# Altium PCB 2020智能车.PcbDoc (part 2 of 2)
Units mm, origin at the board's own origin, x right, y up, seen from the top; angles counter-clockwise.
Board outline 115 x 77.51 mm, 4 copper layers (Top Layer, Int1 (GND), Int2 (PWR), Bottom Layer), stack 1.369 mm thick; 212 components, 148 nets, 754 pads, 347 vias.
Unrouted connection lines stored in the file: 192.
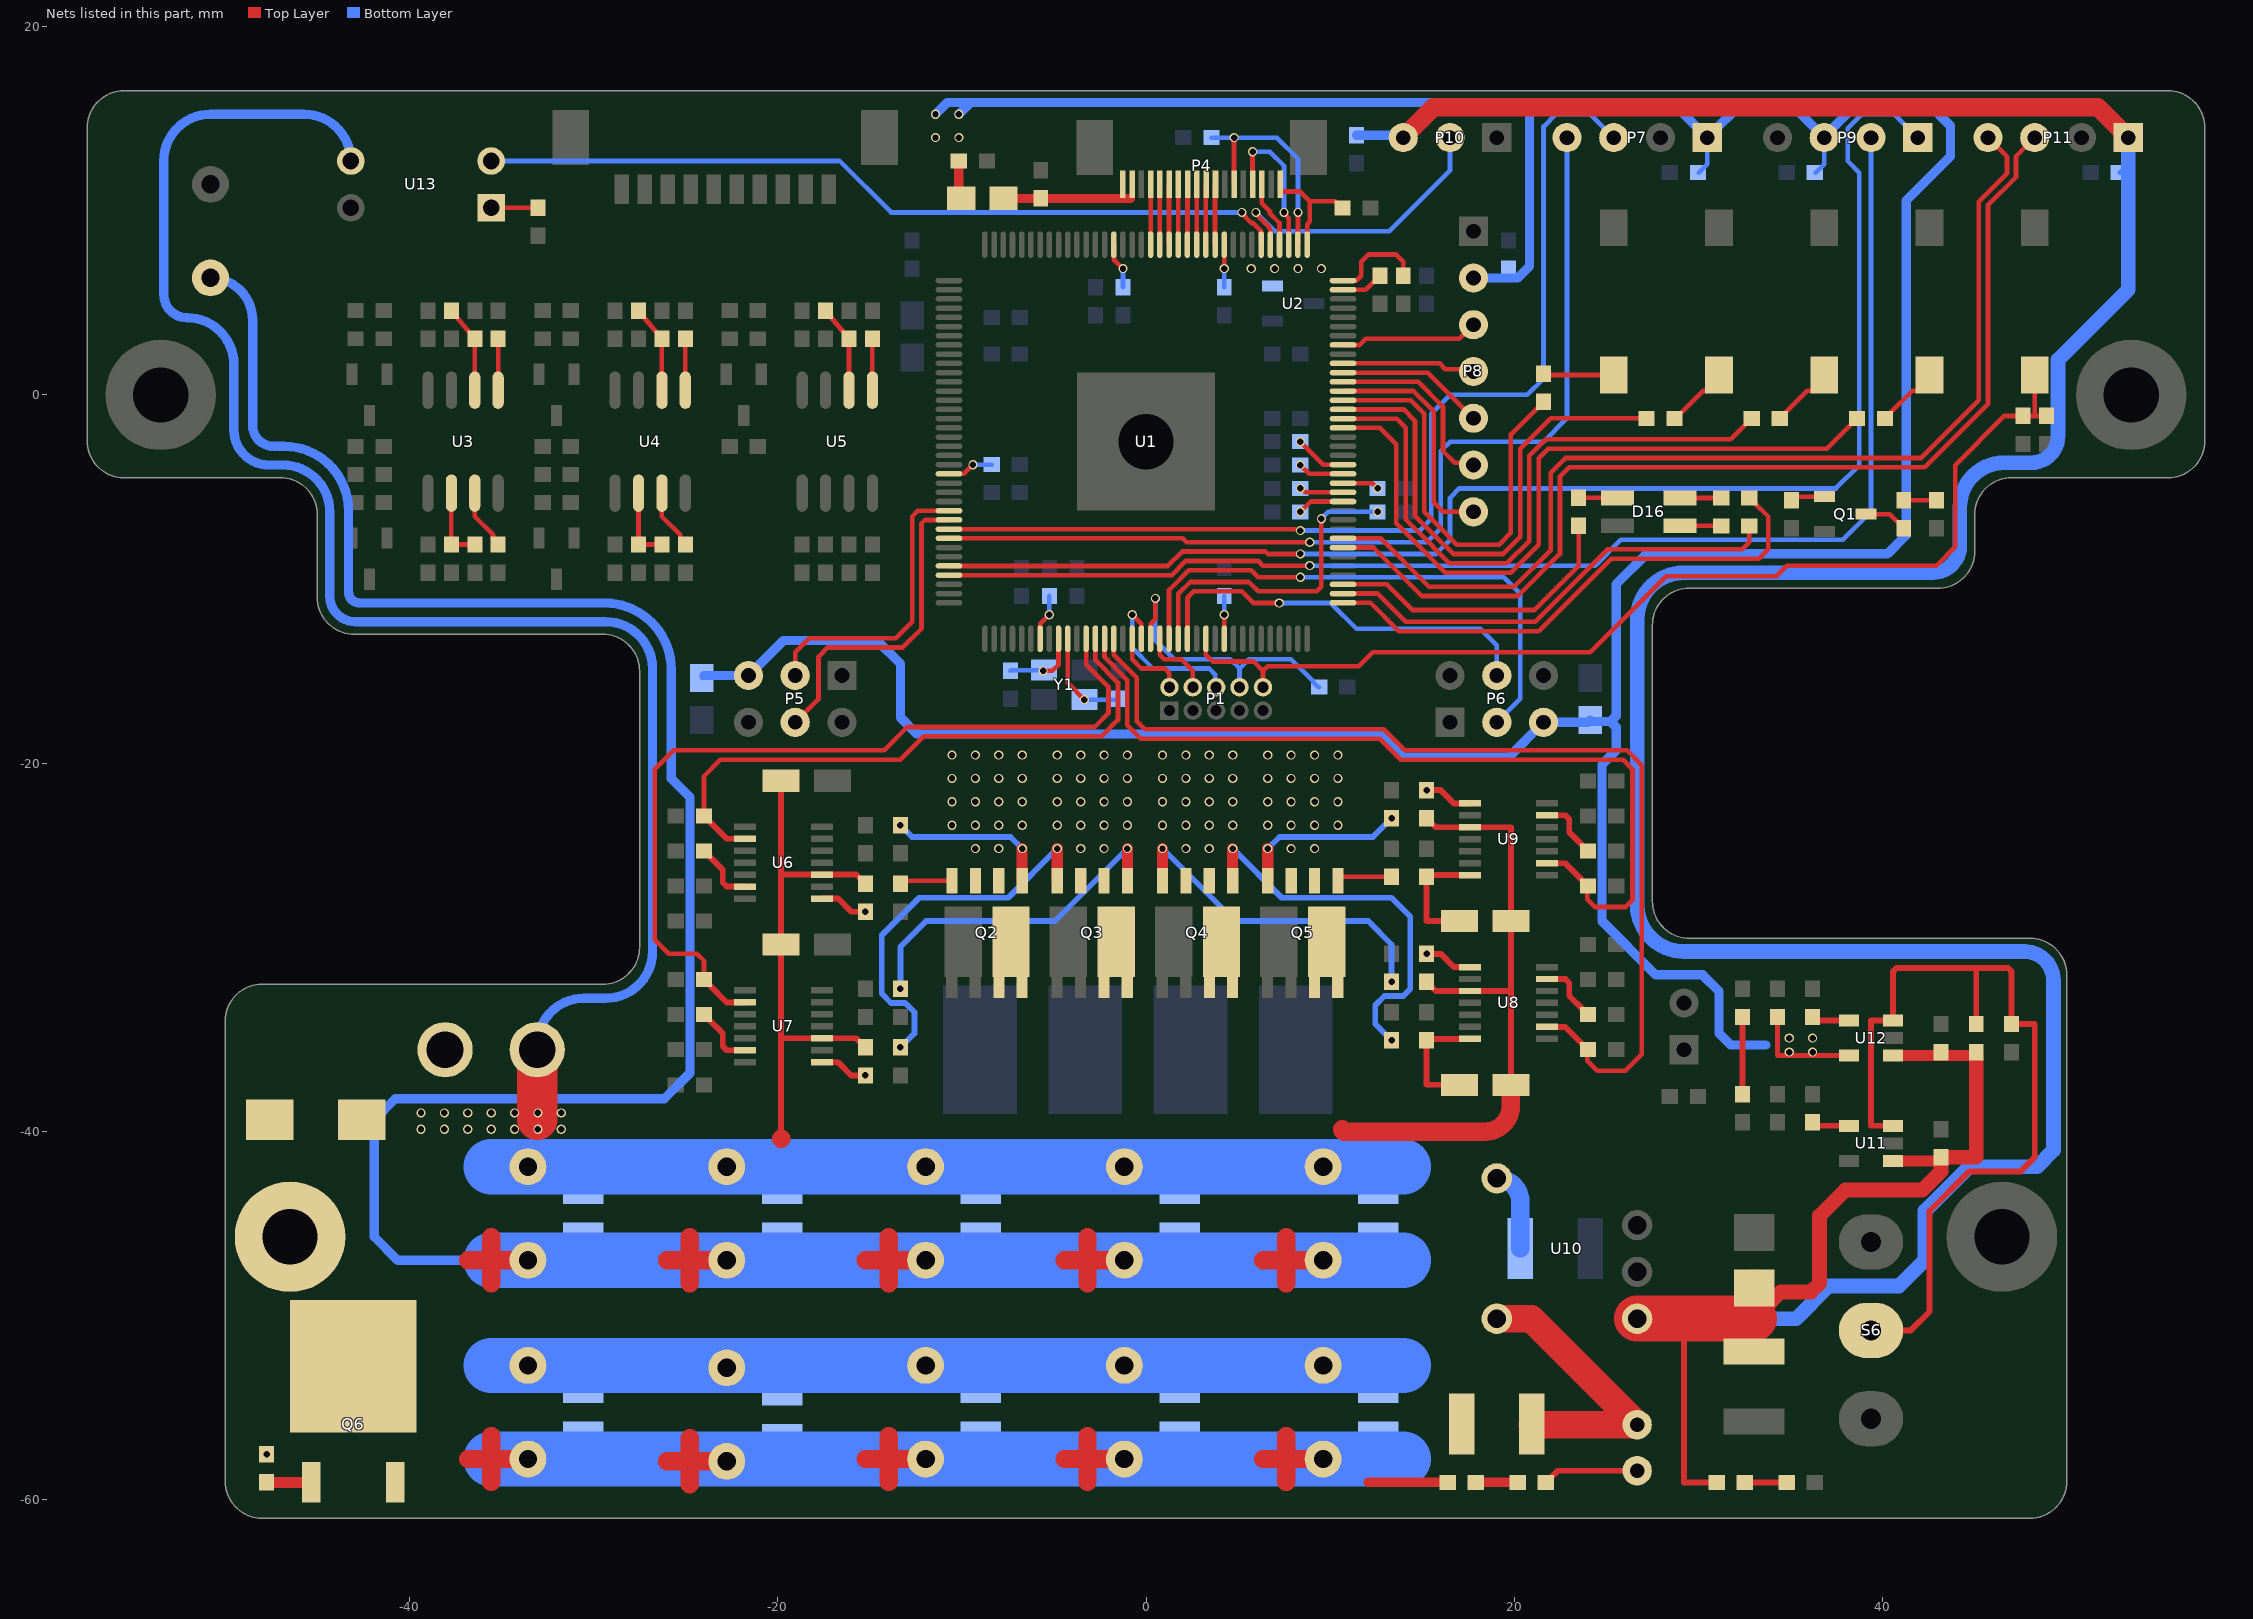
[diagram p4: the nets of this part, all layers, seen from the top]

## Via types
v1: diameter 0.5, hole 0.35, Top Layer to Bottom Layer, tented both sides, 347 vias

## Nets (pads, with @x,y where several pads share a name; then routed paths per layer and width w, separated by ;. In a path a pad name is that pad's centre, name@x,y a point inside that pad or via, vN(x,y) a via of type N, cw(c..) or ccw(c..) an arc to the next point about the centre after c; other vN are vias at no path point) (continued)
NetC42_1: C42.1 D9.1 U8.14 | length 6.5
  Top Layer w0.318: C42.1@15.24,-35.052 15.24,-37.465 D9.1@17.015,-37.465 ; C42.1@15.24,-34.97 U8.14@17.585,-34.97
NetC45_1: C45.1 D10.1 U9.14 | length 6.5
  Top Layer w0.318: C45.1@15.24,-26.162 15.24,-28.575 D10.1@17.015,-28.575 ; C45.1@15.24,-26.08 U9.14@17.585,-26.08
NetC51_1: C51.1 F1.2 U10.4 | length 15.7
  Top Layer w1: F1.2@20.95,-55.88 ccw(c20.99,-55.88) F1.2@20.99,-55.92
  Top Layer w1.5: U10.4@19.05,-50.165 20.915,-50.165 C51.1@26.67,-55.92 F1.2@20.99,-55.92
NetC56_2: C56.2 U11.4 | length 2.1
  Top Layer w0.318: C56.2@36.195,-39.497 36.388,-39.69 U11.4@38.17,-39.69
NetC59_2: C59.2 U12.4 | length 1.8
  Top Layer w0.318: C59.2@36.388,-33.975 U12.4@38.17,-33.975
NetC60_1: C60.1 L2.1 P4.17 P4.18 | length 6.8
  Top Layer w0.508: L2.1@-7.747,10.668 C60.1@-5.842,10.668 ; C60.1@-5.715,10.668 -0.853,10.668
NetD1_1: D1.1 Q1.3 | length 2.4
  Top Layer w0.254: Q1.3@39.098,-6.477 40.386,-6.477 40.831,-6.921 40.869,-6.921 41.148,-7.201 D1.1@41.148,-7.239
NetD1_2: D1.2 R12.2 | length 1.8
  Top Layer w0.254: D1.2@41.148,-5.715 R12.2@42.926,-5.715
NetD12_A: D12.A P3.1 pad.@-46.482,-45.72 Q6.2
NetD14_2: D14.2 R52.2 | length 2.3
  Top Layer w0.508: D14.2@17.907,-59.055 R52.2@20.193,-59.055
NetD15_2: D15.2 R54.2 | length 2.3
  Top Layer w0.318: D15.2@32.512,-59.055 R54.2@34.798,-59.055
NetD16_1: D16.1 R62.2 | length 2.2
  Top Layer w0.254: D16.1@29.005,-7.1 31.23,-7.1 R62.2@31.242,-7.112
NetD16_3: D16.3 R63.2 | length 2.2
  Top Layer w0.254: D16.3@29.005,-5.6 31.23,-5.6 R63.2@31.242,-5.588
NetD16_4: D16.4 R64.2 | length 2.1
  Top Layer w0.254: R64.2@23.495,-5.588 25.593,-5.588 D16.4@25.605,-5.6
NetD17_2: D17.2 R66.2 | length 4.2
  Top Layer w0.318: D17.2@32.385,-37.973 R66.2@32.385,-33.782
NetQ1_1: Q1.1 R11.1 | length 1.9
  Top Layer w0.254: R11.1@35.052,-5.715 35.24,-5.527 Q1.1@36.848,-5.527
NetQ2_1: Q2.1 R37.2 | length 8.9
  Top Layer w0.6: Q2.1@-6.723,-26.38 v1(-6.723,-24.638)
  Bottom Layer w0.318: v1(-13.335,-23.368) -12.7,-24.003 -7.358,-24.003 v1(-6.723,-24.638)
NetQ2_4: Q2.4 R38.2 | length 2.9
  Top Layer w0.254: R38.2@-13.335,-26.543 -13.172,-26.38 Q2.4@-10.533,-26.38
NetQ3_1: Q3.1 R41.2 | length 18.6
  Top Layer w0.6: Q3.1@-1.008,-26.38 v1(-1.008,-24.638)
  Bottom Layer w0.318: v1(-13.335,-32.258) -13.335,-29.972 -11.938,-28.575 -4.945,-28.575 v1(-1.008,-24.638)
NetQ3_4: Q3.4 R42.2 | length 20.8
  Top Layer w0.6: Q3.4@-4.818,-26.38 v1(-4.818,-24.638)
  Bottom Layer w0.318: v1(-13.335,-35.433) -12.573,-34.671 -12.573,-33.528 -13.081,-33.02 -13.843,-33.02 -14.351,-32.512 -14.351,-29.337 -12.319,-27.305 -7.485,-27.305 v1(-4.818,-24.638)
NetQ4_1: Q4.1 R45.2 | length 21.4
  Top Layer w0.6: Q4.1@4.707,-26.38 v1(4.707,-24.638)
  Bottom Layer w0.318: v1(4.707,-24.638) 7.374,-27.305 13.335,-27.305 14.351,-28.321 14.351,-32.258 13.97,-32.639 12.954,-32.639 12.446,-33.147 12.446,-34.163 v1(13.335,-35.052)
NetQ4_4: Q4.4 R46.2 | length 18.4
  Top Layer w0.6: Q4.4@0.897,-26.38 v1(0.897,-24.638)
  Bottom Layer w0.318: v1(0.897,-24.638) 4.834,-28.575 12.065,-28.575 13.335,-29.845 v1(13.335,-31.877)
NetQ5_1: Q5.1 R49.2 | length 3
  Top Layer w0.254: Q5.1@10.422,-26.38 10.422,-26.34 10.599,-26.162 R49.2@13.335,-26.162
NetQ5_4: Q5.4 R50.2 | length 9.1
  Top Layer w0.6: Q5.4@6.612,-26.38 v1(6.612,-24.638)
  Bottom Layer w0.318: v1(6.612,-24.638) 7.247,-24.003 12.319,-24.003 v1(13.335,-22.987)
NetQ6_G: Q6.1 R67.1 | length 2.4
  Top Layer w0.6: R67.1@-47.752,-59.055 Q6.1@-45.327,-59.055
NetR13_2: R13.2 R14.1 U3.2 | length 4.1
  Top Layer w0.254: U3.2@-37.719,-5.334 R14.1@-37.719,-8.128 R13.2@-36.449,-8.128
NetR16_2: R16.2 U3.3 | length 3.3
  Top Layer w0.254: U3.3@-36.449,-5.334 -36.449,-6.604 -35.458,-7.595 -35.458,-7.849 R16.2@-35.179,-8.128
NetR17_2: R17.2 R18.1 U3.6 | length 4.8
  Top Layer w0.254: R18.1@-37.719,4.572 R17.2@-36.449,3.048 U3.6@-36.449,0.254
NetR20_2: R20.2 U3.5 | length 2.8
  Top Layer w0.254: U3.5@-35.179,0.254 R20.2@-35.179,3.048
NetR21_2: R21.2 R22.1 U4.2 | length 4.1
  Top Layer w0.254: U4.2@-27.559,-5.334 R22.1@-27.559,-8.128 R21.2@-26.289,-8.128
NetR24_2: R24.2 U4.3 | length 3.3
  Top Layer w0.254: U4.3@-26.289,-5.334 -26.289,-6.604 -25.298,-7.595 -25.298,-7.849 R24.2@-25.019,-8.128
NetR25_2: R25.2 R26.1 U4.6 | length 4.8
  Top Layer w0.254: R26.1@-27.559,4.572 R25.2@-26.289,3.048 U4.6@-26.289,0.254
NetR28_2: R28.2 U4.5 | length 2.8
  Top Layer w0.254: U4.5@-25.019,0.254 R28.2@-25.019,3.048
NetR29_2: R29.2 R30.1 U5.6 | length 4.8
  Top Layer w0.254: R30.1@-17.399,4.572 R29.2@-16.129,3.048 U5.6@-16.129,0.254
NetR32_2: R32.2 U5.5 | length 2.8
  Top Layer w0.254: U5.5@-14.859,0.254 R32.2@-14.859,3.048
NetR36_2: R36.2 U6.6 | length 3.5
  Top Layer w0.318: R36.2@-24.003,-24.765 -23.965,-24.765 -23.718,-25.012 -23.718,-25.05 -22.987,-25.781 -22.987,-26.484 -22.771,-26.7 U6.6@-21.785,-26.7
NetR40_2: R40.2 U7.6 | length 3
  Top Layer w0.318: R40.2@-23.718,-33.94 -22.987,-34.671 -22.987,-35.374 -22.771,-35.59 U7.6@-21.785,-35.59
NetR44_2: R44.2 U8.6 | length 3
  Top Layer w0.318: U8.6@21.785,-31.72 22.771,-31.72 22.987,-31.936 22.987,-32.639 R44.2@23.718,-33.37
NetR48_2: R48.2 U9.6 | length 3
  Top Layer w0.318: U9.6@21.785,-22.83 22.771,-22.83 22.987,-23.046 22.987,-23.749 R48.2@23.718,-24.48
NetR55_2: R55.2 U13.1 | length 2.5
  Top Layer w0.254: U13.1@-35.56,10.16 R55.2@-33.02,10.16
NetR58_1: R58.1 S2.2 | length 3.5
  Top Layer w0.254: R58.1@40.132,-1.27 40.17,-1.27 40.45,-0.991 40.45,-0.953 41.623,0.221 41.922,0.221 42.545,0.844 S2.2@42.545,1.08
NetR59_1: R59.1 S3.2 | length 3.5
  Top Layer w0.254: R59.1@34.417,-1.27 34.455,-1.27 34.734,-0.991 34.734,-0.953 35.908,0.221 36.207,0.221 36.83,0.844 S3.2@36.83,1.08
NetR60_1: R60.1 S4.2 | length 3.5
  Top Layer w0.254: R60.1@28.702,-1.27 28.981,-0.991 29.044,-0.991 30.242,0.207 30.492,0.207 31.115,0.83 S4.2@31.115,1.08
NetR61_1: R61.1 S5.2 | length 3.8
  Top Layer w0.254: R61.1@21.59,1.143 21.653,1.08 S5.2@25.4,1.08
P00.0: P4.8 U1.11 | length 3.3
  Top Layer w0.254: U1.11@3.75,8.16 P4.8@3.75,11.43
P00.1: P4.9 U1.12 | length 3.3
  Top Layer w0.254: U1.12@3.25,8.16 P4.9@3.25,11.43
P00.2: P4.10 U1.13 | length 3.3
  Top Layer w0.254: U1.13@2.75,8.16 P4.10@2.75,11.43
P00.3: P4.11 U1.14 | length 3.3
  Top Layer w0.254: U1.14@2.25,8.16 P4.11@2.25,11.43
P00.4: P4.12 U1.15 | length 3.3
  Top Layer w0.254: U1.15@1.75,8.16 P4.12@1.75,11.43
P00.5: P4.13 U1.16 | length 3.3
  Top Layer w0.254: U1.16@1.25,8.16 P4.13@1.25,11.43
P00.6: P4.14 U1.17 | length 3.3
  Top Layer w0.254: U1.17@0.75,8.16 P4.14@0.75,11.43
P00.7: P4.15 U1.18 | length 3.3
  Top Layer w0.254: U1.18@0.25,8.16 P4.15@0.25,11.43
P02.0: P4.1 R57.2 U1.1 | length 6.5
  Top Layer w0.254: P4.1@7.295,11.43 7.295,11.072 7.318,11.049 8.347,11.049 8.89,10.506 ; U1.1@8.75,8.16 8.75,9.258 8.89,9.398 8.89,10.506 ; R57.2@10.668,10.16 10.63,10.16 10.284,10.506 8.89,10.506
P02.1: P4.6 R56.2 U1.2 | length 12.4
  Top Layer w0.254: P4.6@4.78,11.43 v1(4.78,13.97) ; U1.2@8.25,8.16 8.25,9.901 v1(8.255,9.906)
  Bottom Layer w0.254: R56.2@3.556,13.97 v1(4.78,13.97) 7.112,13.97 8.255,12.827 v1(8.255,9.906)
P02.2: P4.4 U1.3 | length 8.2
  Top Layer w0.254: P4.4@5.786,11.43 v1(5.786,13.208) ; v1(7.493,9.906) 7.493,9.852 7.75,9.595 U1.3@7.75,8.16
  Bottom Layer w0.254: v1(5.786,13.208) 6.731,13.208 7.493,12.446 v1(7.493,9.906)
P02.3: P4.3 U1.4 | length 3.7
  Top Layer w0.254: P4.3@6.289,11.43 6.289,10.402 6.731,9.96 6.731,9.852 7.25,9.333 U1.4@7.25,8.16
P02.4: P10.2 U1.5 | length 16.2
  Top Layer w0.254: v1(5.969,9.906) 5.969,9.839 6.092,9.716 6.092,9.71 6.695,9.106 6.695,9.053 6.75,8.998 U1.5@6.75,8.16
  Bottom Layer w0.254: v1(5.969,9.906) 6.985,8.89 13.208,8.89 16.51,12.192 P10.2@16.51,13.97
P02.5: U1.6 U13.2 | length 44.2
  Top Layer w0.254: v1(5.207,9.906) 5.207,9.852 5.73,9.329 5.831,9.329 6.241,8.918 6.241,8.169 U1.6@6.25,8.16
  Bottom Layer w0.254: U13.2@-35.56,12.7 -16.637,12.7 -13.843,9.906 v1(5.207,9.906)
P10.5: R7.2 U1.143 | length 2.3
  Top Layer w0.254: U1.143@10.7,5.71 11.933,5.71 12.383,6.16 12.421,6.16 12.7,6.439 R7.2@12.7,6.477
P10.6: R8.2 U1.144 | length 5.2
  Top Layer w0.254: U1.144@10.7,6.21 11.417,6.21 11.684,6.477 11.684,7.239 12.065,7.62 13.589,7.62 13.97,7.239 R8.2@13.97,6.477
P11.2: P8.7 U1.132 | length 12.7
  Top Layer w0.254: U1.132@10.7,0.21 14.522,0.21 15.621,-0.889 15.621,-5.842 16.129,-6.35 P8.7@17.78,-6.35
P11.3: P8.6 U1.133 | length 10.4
  Top Layer w0.254: U1.133@10.7,0.71 14.784,0.71 16.129,-0.635 16.129,-3.048 16.76,-3.679 17.649,-3.679 P8.6@17.78,-3.81
P11.6: P8.5 U1.134 | length 8.1
  Top Layer w0.254: U1.134@10.7,1.21 15.3,1.21 P8.5@17.78,-1.27
P11.9: P8.4 U1.135 | length 7.3
  Top Layer w0.254: U1.135@10.7,1.71 15.943,1.71 16.256,1.397 17.653,1.397 P8.4@17.78,1.27
P11.10: P8.3 U1.137 | length 7.5
  Top Layer w0.254: U1.137@10.7,2.71 11.6,2.71 11.938,3.048 17.018,3.048 P8.3@17.78,3.81
P13.0: R58.2 U1.128 | length 39.9
  Top Layer w0.254: U1.128@10.7,-1.79 12.7,-1.79 13.589,-2.679 13.589,-6.976 15.376,-8.763 15.367,-8.763 16.256,-9.652 19.812,-9.652 21.336,-8.128 21.336,-3.429 21.844,-2.921 36.957,-2.921 38.291,-1.587 38.291,-1.549 38.57,-1.27 R58.2@38.608,-1.27
P13.1: R59.2 U1.129 | length 34.4
  Top Layer w0.254: U1.129@10.7,-1.29 13.609,-1.29 14.097,-1.778 14.097,-6.766 15.586,-8.255 15.577,-8.255 16.466,-9.144 19.602,-9.144 20.809,-7.937 20.809,-3.314 20.863,-3.26 21.71,-2.413 31.75,-2.413 32.575,-1.587 32.575,-1.549 32.855,-1.27 R59.2@32.893,-1.27
P13.2: R60.2 U1.130 | length 28.6
  Top Layer w0.254: U1.130@10.7,-0.79 13.998,-0.79 14.605,-1.397 14.605,-6.555 15.797,-7.747 15.788,-7.747 16.677,-8.636 19.391,-8.636 20.32,-7.707 20.32,-2.921 21.971,-1.27 R60.2@27.178,-1.27
P13.3: R61.2 U1.131 | length 23.6
  Top Layer w0.254: U1.131@10.7,-0.29 14.38,-0.29 15.109,-1.02 15.109,-6.346 16.006,-7.243 15.997,-7.243 16.886,-8.132 19.182,-8.132 19.816,-7.498 19.816,-2.155 21.273,-0.699 21.311,-0.699 21.59,-0.419 R61.2@21.59,-0.381
P14.2: R4.2 U1.120 | length 2.5
  Top Layer w0.254: v1(8.382,-6.35) 8.942,-5.79 U1.120@10.7,-5.79
P14.3: R5.2 U1.121 | length 2.4
  Top Layer w0.254: v1(8.382,-5.08) 8.444,-5.08 8.654,-5.29 U1.121@10.7,-5.29
P14.4: R9.2 U1.122 | length 2
  Top Layer w0.254: U1.122@10.7,-4.79 12.283,-4.79 v1(12.573,-5.08)
P14.5: R3.2 U1.123 | length 2.5
  Top Layer w0.254: v1(8.382,-3.81) 8.862,-4.29 U1.123@10.7,-4.29
P14.6: R2.2 U1.124 | length 2.8
  Top Layer w0.254: v1(8.382,-2.54) 9.632,-3.79 U1.124@10.7,-3.79
P15.0: R63.1 U1.109 | length 28.8
  Top Layer w0.254: U1.109@10.7,-11.29 12.192,-11.29 13.729,-12.827 21.336,-12.827 25.273,-8.89 33.274,-8.89 33.782,-8.382 33.782,-6.604 33.084,-5.905 33.084,-5.867 32.804,-5.588 R63.1@32.766,-5.588
P15.1: R62.1 U1.110 | length 25.4
  Top Layer w0.254: U1.110@10.7,-10.79 12.573,-10.79 14.102,-12.319 21.126,-12.319 25.063,-8.382 32.385,-8.382 32.766,-8.001 R62.1@32.766,-7.112
P15.2: R64.1 U1.111 | length 16.5
  Top Layer w0.254: U1.111@10.7,-10.29 13.081,-10.29 14.475,-11.684 21.082,-11.684 23.495,-9.271 R64.1@23.495,-7.112
P15.6: P11.3 U1.115 | length 58.4
  Top Layer w0.254: U1.115@10.7,-8.29 12.354,-8.29 14.986,-10.922 20.193,-10.922 22.479,-8.636 22.479,-4.445 22.987,-3.937 42.291,-3.937 45.72,-0.508 45.72,10.287 47.244,11.811 47.244,12.954 P11.3@48.26,13.97
P15.7: P11.4 U1.116 | length 57.6
  Top Layer w0.254: U1.116@10.7,-7.79 12.743,-7.79 15.367,-10.414 19.983,-10.414 21.971,-8.426 21.971,-4.235 22.777,-3.429 42.081,-3.429 45.212,-0.298 45.212,10.497 46.758,12.043 46.758,12.932 P11.4@45.72,13.97
P20.0: P6.3 U1.93 | length 30.2
  Top Layer w0.254: U1.93@1.25,-13.24 1.25,-10.599 2.324,-9.525 5.715,-9.525 6.096,-9.906 v1(8.382,-9.906)
  Bottom Layer w0.254: v1(8.382,-9.906) 19.431,-9.906 20.32,-10.795 20.32,-16.51 P6.3@19.05,-17.78
P20.2: R10.2 U1.94 | length 17.7
  Top Layer w0.254: U1.94@1.75,-13.24 1.75,-10.806 2.396,-10.16 5.588,-10.16 6.096,-10.668 9.271,-10.668 9.525,-10.414 v1(9.525,-6.731)
  Bottom Layer w0.254: v1(9.525,-6.731) 9.906,-6.35 v1(12.573,-6.35)
P20.3: P6.4 U1.95 | length 22
  Top Layer w0.254: U1.95@2.25,-13.24 2.25,-11.013 2.595,-10.668 5.207,-10.668 5.842,-11.303 v1(7.239,-11.303)
  Bottom Layer w0.254: v1(7.239,-11.303) 10.033,-11.303 11.43,-12.7 18.161,-12.7 19.05,-13.589 P6.4@19.05,-15.24
P21.2: R39.2 U1.84 U7.2 | length 46.5
  Top Layer w0.254: R39.2@-24.003,-31.75 -24.003,-30.734 -24.384,-30.353 -25.908,-30.353 -26.67,-29.591 -26.67,-20.32 -25.654,-19.304 -14.224,-19.304 -12.954,-18.034 -2.794,-18.034 -2.032,-17.272 -2.032,-15.875 -3.25,-14.657 U1.84@-3.25,-13.24
  Top Layer w0.318: R39.2@-23.965,-31.75 R39.2@-23.718,-31.997 ; R39.2@-23.718,-32.035 -22.763,-32.99 U7.2@-21.785,-32.99
P21.3: R35.2 U1.85 U6.2 | length 33.6
  Top Layer w0.254: R35.2@-24.003,-22.86 -24.003,-20.701 -23.114,-19.812 -13.335,-19.812 -12.065,-18.542 -2.413,-18.542 -1.524,-17.653 -1.524,-15.621 -2.75,-14.395 U1.85@-2.75,-13.24
  Top Layer w0.318: R35.2@-24.003,-22.86 -23.965,-22.86 -23.718,-23.107 -23.718,-23.145 -22.763,-24.1 U6.2@-21.785,-24.1
P21.4: R47.2 U1.86 U9.2 | length 46.9
  Top Layer w0.254: U1.86@-2.25,-13.24 -2.25,-14.253 -1.016,-15.487 -1.016,-17.939 -0.286,-18.669 12.7,-18.669 13.843,-19.812 25.908,-19.812 26.416,-20.32 26.416,-27.432 26.035,-27.813 24.384,-27.813 23.965,-27.394 R47.2@23.965,-26.67
  Top Layer w0.318: U9.2@21.785,-25.43 22.763,-25.43 R47.2@23.718,-26.385 ; R47.2@23.718,-26.423 R47.2@23.965,-26.67
P21.5: R43.2 U1.87 U8.2 | length 56
  Top Layer w0.254: U1.87@-1.75,-13.24 -1.75,-14.111 -0.508,-15.353 -0.508,-17.728 -0.075,-18.161 12.91,-18.161 14.053,-19.304 26.118,-19.304 26.924,-20.11 26.924,-35.814 26.035,-36.703 24.511,-36.703 23.965,-36.157 R43.2@23.965,-35.56
  Top Layer w0.318: U8.2@21.785,-34.32 22.763,-34.32 R43.2@23.718,-35.275 ; R43.2@23.718,-35.313 R43.2@23.965,-35.56
P21.7: P1.6 U1.90 | length 9.1
  Top Layer w0.254: v1(-0.75,-11.938) -0.25,-12.438 U1.90@-0.25,-13.24
  Bottom Layer w0.254: v1(-0.75,-11.938) -0.75,-13.728 0.381,-14.859 3.429,-14.859 3.759,-15.189 3.759,-15.824 P1.6@3.81,-15.875
P33.6: P5.3 U1.62 | length 16.1
  Top Layer w0.254: P5.3@-19.05,-15.24 -19.05,-13.97 -18.288,-13.208 -13.589,-13.208 -12.7,-12.319 -12.7,-6.604 -12.386,-6.29 U1.62@-10.7,-6.29
P33.7: P5.4 U1.63 | length 17.6
  Top Layer w0.254: P5.4@-19.05,-17.78 -17.78,-16.51 -17.78,-14.224 -17.272,-13.716 -13.208,-13.716 -12.192,-12.7 -12.192,-6.985 -11.997,-6.79 U1.63@-10.7,-6.79
P33.8: P7.3 U1.64 | length 57.4
  Top Layer w0.254: U1.64@-10.7,-7.29 8.132,-7.29 8.161,-7.319 8.335,-7.319 v1(8.382,-7.366)
  Bottom Layer w0.254: v1(8.382,-7.366) 14.859,-7.366 15.494,-6.731 15.494,-1.016 16.51,0 20.701,0 21.59,0.889 21.59,14.569 22.261,15.24 24.13,15.24 P7.3@25.4,13.97
P33.9: P7.4 U1.65 | length 54.1
  Top Layer w0.254: U1.65@-10.7,-7.79 1.989,-7.79 2.2,-8.001 v1(8.89,-8.001)
  Bottom Layer w0.254: v1(8.89,-8.001) 15.24,-8.001 16.002,-7.239 16.002,-3.048 16.51,-2.54 21.59,-2.54 22.86,-1.27 P7.4@22.86,13.97
P33.12: P9.1 U1.68 | length 76.4
  Top Layer w0.254: U1.68@-10.7,-9.29 1.179,-9.29 1.96,-8.509 6.477,-8.509 6.604,-8.636 v1(8.382,-8.636)
  Bottom Layer w0.254: v1(8.382,-8.636) 15.748,-8.636 16.51,-7.874 16.51,-5.588 17.018,-5.08 37.465,-5.08 38.735,-3.81 38.735,12.065 38.1,12.7 38.1,14.478 38.862,15.24 40.64,15.24 P9.1@41.91,13.97
P33.13: P9.2 U1.69 | length 72
  Top Layer w0.254: U1.69@-10.7,-9.79 1.386,-9.79 2.159,-9.017 6.096,-9.017 6.35,-9.271 v1(8.89,-9.271)
  Bottom Layer w0.254: v1(8.89,-9.271) 24.384,-9.271 25.781,-7.874 37.846,-7.874 39.37,-6.35 P9.2@39.37,13.97
PEN: C78.1 R65.2 S6.1 U11.3 U12.3 | length 47.8
  Top Layer w0.318: S6.1@39.37,-50.8 41.529,-50.8 42.545,-49.784 42.545,-44.323 44.704,-42.164 47.498,-42.164 48.26,-41.402 48.26,-34.163 C78.1@46.99,-34.163 46.99,-31.301 46.804,-31.115 45.085,-31.115 ; U11.3@40.57,-39.69 39.37,-39.69 39.37,-33.975 U12.3@40.57,-33.975 40.57,-31.301 40.756,-31.115 45.085,-31.115 ; R65.2@45.085,-34.163 45.085,-31.115
PGND: C37.2 C40.2 C43.2 C46.2 C48.2 C49.2 C51.2 C52.2 C61.2 C68.2 C69.2 C70.2 C71.2 C72.2 C73.2 C74.2 C75.2 C76.2 C77.2 C79.2 C80.2 C81.2 C82.2 C83.2 C84.2 C85.2 D12.K P3.2 Q2.2 Q2.3 Q3.2 Q3.3 Q4.2 Q4.3 Q5.2 Q5.3 R52.1 R67.2 U6.8 U7.8 U8.8 U9.8 U10.1 U13.3 | length 209.9
  Top Layer w0.318: U7.8@-17.585,-36.24 -16.719,-36.24 -16.002,-36.957 v1(-15.24,-36.957) ; U6.8@-17.569,-27.366 U6.8@-17.585,-27.35 -16.719,-27.35 -16.002,-28.067 v1(-15.24,-28.067) ; v1(15.24,-30.353) 16.002,-30.353 16.719,-31.07 U8.8@17.585,-31.07 ; v1(15.24,-21.463) 16.002,-21.463 16.719,-22.18 U9.8@17.585,-22.18 ; R52.1@21.717,-59.055 21.755,-59.055 22.002,-58.808 22.002,-58.77 22.352,-58.42 C51.2@26.67,-58.42
  Top Layer w2.2: -33.06,-39.37 P3.2@-33.06,-35.56
  Bottom Layer w0.318: P3.2@-33.06,-35.56 P3.2@-33.06,-35.306
  Bottom Layer w0.508: U13.3@-43.18,12.7 ccw(c-45.72,12.7) -45.72,15.24 -50.8,15.24 ccw(c-50.8,12.7) -53.34,12.7 -53.34,5.461 ccw(c-52.07,5.461) -52.07,4.191 cw(c-52.07,1.651) -49.53,1.651 -49.53,-1.905 ccw(c-47.625,-1.905) -47.625,-3.81 -46.863,-3.81 cw(c-46.863,-6.35) -44.323,-6.35 -44.323,-10.922 ccw(c-42.926,-10.922) -42.926,-12.319 -29.337,-12.319 cw(c-29.337,-14.859) -26.797,-14.859 -26.797,-30.226 cw(c-29.337,-30.226) -29.337,-32.766 -30.52,-32.766 ccw(c-30.52,-35.306) P3.2@-33.06,-35.306
  Bottom Layer w1: U10.1@19.05,-42.545 cw(c19.05,-43.82) 20.325,-43.82 C52.2@20.325,-46.355
  Bottom Layer w3: -35.56,-52.705 -13.97,-52.705 -3.175,-52.705 7.62,-52.705 13.97,-52.705 ; -35.56,-41.91 -13.97,-41.91 -3.175,-41.91 7.62,-41.91 13.97,-41.91
  other v1: -47.747,-57.531 -39.37,-39.878 -38.1,-39.878 -36.83,-39.878 -35.56,-39.878 -34.29,-39.878 -33.02,-39.878 -31.75,-39.878 -39.37,-38.989 -38.1,-38.989 -36.83,-38.989 -35.56,-38.989 -34.29,-38.989 -33.02,-38.989 -31.75,-38.989 -9.263,-24.638 -7.993,-24.638 -3.548,-24.638 -2.278,-24.638 2.167,-24.638 3.437,-24.638 7.882,-24.638 9.152,-24.638 -10.533,-23.368 -9.263,-23.368 -7.993,-23.368 -6.723,-23.368 -4.818,-23.368 -3.548,-23.368 -2.278,-23.368 -1.008,-23.368 0.897,-23.368 2.167,-23.368 3.437,-23.368 4.707,-23.368 6.612,-23.368 7.882,-23.368 9.152,-23.368 10.422,-23.368 -10.533,-22.098 -9.263,-22.098 -7.993,-22.098 -6.723,-22.098 -4.818,-22.098 -3.548,-22.098 -2.278,-22.098 -1.008,-22.098 0.897,-22.098 2.167,-22.098 3.437,-22.098 4.707,-22.098 6.612,-22.098 7.882,-22.098 9.152,-22.098 10.422,-22.098 -10.533,-20.828 -9.263,-20.828 -7.993,-20.828 -6.723,-20.828 -4.818,-20.828 -3.548,-20.828 -2.278,-20.828 -1.008,-20.828 0.897,-20.828 2.167,-20.828 3.437,-20.828 4.707,-20.828 6.612,-20.828 7.882,-20.828 9.152,-20.828 10.422,-20.828 -10.533,-19.558 -9.263,-19.558 -7.993,-19.558 -6.723,-19.558 -4.818,-19.558 -3.548,-19.558 -2.278,-19.558 -1.008,-19.558 0.897,-19.558 2.167,-19.558 3.437,-19.558 4.707,-19.558 6.612,-19.558 7.882,-19.558 9.152,-19.558 10.422,-19.558
RST: C3.2 P1.10 R1.2 S1.2 U1.97 | length 58.3
  Top Layer w0.254: U1.97@3.25,-13.24 3.25,-14.111 3.617,-14.478 5.842,-14.478 6.35,-14.986 ; P1.10@6.35,-15.875 6.35,-14.986 ; S1.2@48.26,1.08 48.26,-1.143 ; R1.2@48.895,-1.143 48.26,-1.143 ; 6.35,-14.986 6.604,-14.732 11.557,-14.732 12.319,-13.97 24.13,-13.97 28.248,-9.852 34.224,-9.852 34.805,-9.271 42.926,-9.271 43.942,-8.255 43.942,-3.81 46.609,-1.143 C3.2@47.625,-1.143 48.26,-1.143
TCK: P1.4 U1.92 | length 3.9
  Top Layer w0.254: U1.92@0.75,-13.24 0.75,-14.111 0.99,-14.351 1.905,-14.351 2.54,-14.986 P1.4@2.54,-15.875
TMS: P1.2 U1.89 | length 4.2
  Top Layer w0.254: U1.89@-0.75,-13.24 -0.75,-14.363 -0.254,-14.859 1.016,-14.859 1.27,-15.113 P1.2@1.27,-15.875
TRST: P1.8 R6.2 U1.91 | length 16
  Top Layer w0.254: U1.91@0.25,-13.24 0.25,-12.438 0.508,-12.18 v1(0.508,-11.049)
  Bottom Layer w0.254: v1(0.508,-11.049) 0.508,-13.335 1.524,-14.351 4.572,-14.351 5.08,-14.859 ; P1.8@5.08,-15.875 5.08,-14.859 ; R6.2@9.398,-15.875 9.36,-15.875 9.08,-15.596 9.08,-15.557 7.874,-14.351 5.588,-14.351 5.08,-14.859
VBAT: B1.1 C37.1 C40.1 C43.1 C46.1 C48.1 C49.1 C61.1 C68.1 C69.1 C70.1 C71.1 C72.1 C73.1 C74.1 C75.1 C76.1 C77.1 C79.1 C80.1 C81.1 C82.1 C83.1 C84.1 C85.1 D7.2 D8.2 D9.2 D10.2 D14.1 F1.1 Q2.6 Q3.6 Q4.6 Q5.6 Q6.3 U6.10 U7.10 U8.10 U9.10 | length 312.3
  Top Layer w0.318: -19.815,-40.383 D8.2@-19.815,-29.845 D7.2@-19.815,-20.955 ; -19.812,-34.94 U7.10@-17.585,-34.94 -15.733,-34.94 -15.525,-35.148 -15.487,-35.148 -15.24,-35.395 C40.1@-15.24,-35.433 ; -19.812,-26.05 U6.10@-17.585,-26.05 -15.733,-26.05 -15.525,-26.258 -15.487,-26.258 -15.24,-26.505 C37.1@-15.24,-26.543 ; C46.1@15.24,-31.877 15.24,-31.915 15.487,-32.162 15.525,-32.162 15.733,-32.37 U8.10@17.585,-32.37 19.812,-32.37 ; C43.1@15.24,-22.987 15.24,-23.025 15.487,-23.272 15.525,-23.272 15.733,-23.48 U9.10@17.585,-23.48 19.812,-23.48 ; D9.2@19.815,-37.465 D10.2@19.815,-28.575 19.815,-23.48
  Top Layer w0.508: 12.065,-59.055 D14.1@16.383,-59.055
  Top Layer w1: -36.808,-57.785 -35.56,-57.785 ; -36.808,-46.99 -35.56,-46.99 ; -35.56,-59.033 -35.56,-57.785 ; -35.56,-56.537 -35.56,-57.785 ; -35.56,-48.238 -35.56,-46.99 ; -35.56,-45.742 -35.56,-46.99 ; C49.1@-34.312,-57.785 -35.56,-57.785 ; C48.1@-34.312,-46.99 -35.56,-46.99 ; -26.013,-57.912 -24.765,-57.912 ; -26.013,-46.99 -24.765,-46.99 ; -24.765,-59.16 -24.765,-57.912 ; -24.765,-56.664 -24.765,-57.912 ; -24.765,-48.238 -24.765,-46.99 ; -24.765,-45.742 -24.765,-46.99 ; C68.1@-23.517,-57.912 -24.765,-57.912 ; C61.1@-23.517,-46.99 -24.765,-46.99 ; -19.815,-40.383 -19.812,-40.386 ; -15.218,-57.785 -13.97,-57.785 ; -15.218,-46.99 -13.97,-46.99 ; -13.97,-59.033 -13.97,-57.785 ; -13.97,-56.537 -13.97,-57.785 ; -13.97,-48.238 -13.97,-46.99 ; -13.97,-45.742 -13.97,-46.99 ; C70.1@-12.722,-57.785 -13.97,-57.785 ; C69.1@-12.722,-46.99 -13.97,-46.99 ; -4.423,-57.785 -3.175,-57.785 ; -4.423,-46.99 -3.175,-46.99 ; -3.175,-59.033 -3.175,-57.785 ; -3.175,-56.537 -3.175,-57.785 ; -3.175,-48.238 -3.175,-46.99 ; -3.175,-45.742 -3.175,-46.99 ; C72.1@-1.927,-57.785 -3.175,-57.785 ; C71.1@-1.927,-46.99 -3.175,-46.99 ; 6.372,-57.785 7.62,-57.785 ; 6.372,-46.99 7.62,-46.99 ; 7.62,-59.033 7.62,-57.785 ; 7.62,-56.537 7.62,-57.785 ; 7.62,-48.238 7.62,-46.99 ; 7.62,-45.742 7.62,-46.99 ; C74.1@8.868,-57.785 7.62,-57.785 ; C73.1@8.868,-46.99 7.62,-46.99 ; 10.668,-39.878 ccw(c10.795,-39.878) 10.795,-40.005 18.415,-40.005 ccw(c18.415,-38.605) 19.815,-38.605 D9.2@19.815,-37.465
  Bottom Layer w0.508: B1.1@-50.8,6.35 cw(c-50.8,4.064) -48.514,4.064 -48.514,-1.651 ccw(c-47.371,-1.651) -47.371,-2.794 -46.788,-2.794 cw(c-46.788,-6.275) -43.307,-6.275 -43.307,-10.693 ccw(c-42.697,-10.693) -42.697,-11.303 -29.389,-11.303 cw(c-29.389,-14.911) -25.781,-14.911 -25.781,-20.828 -24.765,-21.844 -24.765,-36.83 -26.162,-38.227 -40.767,-38.227 -41.91,-39.37 -41.91,-45.72 -40.64,-46.99 -35.56,-46.99
  Bottom Layer w3: -35.56,-57.785 -13.97,-57.785 -3.175,-57.785 7.62,-57.785 13.97,-57.785 ; -35.56,-46.99 -30.56,-46.99 -24.765,-46.99 -19.765,-46.99 -13.97,-46.99 -8.97,-46.99 -3.175,-46.99 1.825,-46.99 7.62,-46.99 12.62,-46.99 13.97,-46.99
VCC_3V3_ISOL: C57.1 C62.1 C63.1 C64.1 C65.1 C66.1 C67.1 L2.2 P5.5 P6.5 P7.1 P8.2 P9.3 U12.5 | length 211.5
  Top Layer w0.254: C57.1@34.29,-33.782 34.29,-35.875 U12.5@38.17,-35.875
  Top Layer w0.508: L2.2@-10.16,10.795 C62.1@-10.16,12.7
  Bottom Layer w0.254: C63.1@-24.13,-15.367 C63.1@-24.003,-15.24 ; C65.1@30.01,12.065 30.48,12.535 P7.1@30.48,13.97 ; C67.1@36.36,12.065 36.83,12.535 P9.3@36.83,13.97
  Bottom Layer w0.508: C63.1@-24.003,-15.24 P5.5@-21.59,-15.24 -19.685,-13.335 -14.605,-13.335 -13.335,-14.605 -13.335,-17.526 -12.446,-18.415 12.7,-18.415 13.97,-19.685 19.685,-19.685 P6.5@21.59,-17.78 C64.1@24.003,-17.78 ; v1(-11.43,15.24) -10.795,15.875 -9.525,15.875 ; v1(-10.16,15.24) -9.525,15.875 ; P8.2@17.78,6.35 20.193,6.35 20.828,6.985 20.828,15.875 ; C64.1@24.13,-17.653 24.213,-17.736 25.229,-17.736 ; 33.655,-35.306 31.75,-35.306 31.115,-34.671 31.115,-32.385 30.226,-31.496 27.686,-31.496 24.765,-28.575 24.765,-20.066 25.527,-19.304 25.527,-18.034 25.229,-17.736 ; -9.525,15.875 20.828,15.875 ; 20.828,15.875 28.575,15.875 P7.1@30.48,13.97 32.385,15.875 34.925,15.875 P9.3@36.83,13.97 36.83,14.03 38.675,15.875 42.418,15.875 43.688,14.605 43.688,12.954 41.275,10.541 41.275,-7.62 40.259,-8.636 27.178,-8.636 25.527,-10.287 25.527,-17.439 25.229,-17.736
  other v1: 34.925,-35.687 36.195,-35.687 34.925,-34.925 36.195,-34.925 -11.43,13.97 -10.16,13.97
VCC_5V_ISOL: C50.1 C55.1 C58.1 C90.1 C91.1 D15.1 P10.3 P11.1 R53.2 R65.1 U10.5 U11.1 U12.1 | length 219.8
  Top Layer w0.318: 29.21,-50.165 29.21,-59.055 D15.1@30.988,-59.055
  Top Layer w0.6: U11.1@40.57,-41.59 C55.1@43.174,-41.59 ; U12.1@40.57,-35.875 R65.1@45.085,-35.875
  Top Layer w0.8: 33.02,-50.165 33.908,-49.277 34.475,-48.71 36.107,-48.71 36.576,-48.242 36.576,-44.577 37.973,-43.18 42.164,-43.18 43.174,-42.17 43.174,-41.59 43.174,-41.408 C55.1@43.18,-41.402 45.085,-41.402 R65.1@45.085,-35.875
  Top Layer w1: P10.3@13.97,13.97 15.621,15.621 51.689,15.621 P11.1@53.34,13.97 ; R53.2@33.02,-51.948 33.02,-50.165
  Top Layer w2: 33.02,-50.165 33.02,-49.277 C50.1@33.02,-48.49
  Top Layer w2.5: U10.5@26.67,-50.165 29.21,-50.165 33.02,-50.165
  Bottom Layer w0.254: C91.1@52.87,12.065 53.34,12.535
  Bottom Layer w0.508: C90.1@11.43,14.097 13.429,14.097 P10.3@13.444,14.082
  Bottom Layer w0.8: P10.3@13.858,14.082 P10.3@13.97,13.97 ; U10.5@26.67,-50.165 35.306,-50.165 37.084,-48.387 40.894,-48.387 42.291,-46.99 42.291,-44.323 44.704,-41.91 48.387,-41.91 49.276,-41.021 49.276,-31.801 ccw(c47.701,-31.801) 47.701,-30.226 29.21,-30.226 cw(c29.21,-27.686) 26.67,-27.686 26.67,-12.192 cw(c29.21,-12.192) 29.21,-9.652 42.717,-9.652 ccw(c42.717,-8.173) 44.196,-8.173 44.196,-6.096 cw(c46.609,-6.096) 46.609,-3.683 48.069,-3.683 ccw(c48.069,-2.222) 49.53,-2.222 49.53,1.905 53.34,5.715 53.34,12.535 P11.1@53.34,13.97
VCC_Core_1V3: C5.1 C6.1 C7.1 C8.1 C11.1 U1.10 U1.22 U1.58 U1.79 U1.99 U2.2 | length 12.2
  Top Layer w0.254: U1.58@-10.7,-4.29 -9.898,-4.29 v1(-9.398,-3.79) ; U1.79@-5.75,-13.24 -5.75,-12.438 v1(-5.25,-11.938) ; U1.22@-1.75,8.16 -1.742,8.152 -1.742,7.35 v1(-1.25,6.858) ; U1.99@4.25,-13.24 v1(4.25,-11.938) ; v1(4.25,6.858) U1.10@4.25,8.16
  Bottom Layer w0.254: v1(-9.398,-3.79) C5.1@-8.382,-3.79 ; v1(-5.25,-11.938) C6.1@-5.25,-10.922 ; C11.1@-1.25,5.842 v1(-1.25,6.858) ; v1(4.25,-11.938) C7.1@4.25,-10.922 ; C8.1@4.25,5.842 v1(4.25,6.858)
  other v1: 5.715,6.858 6.985,6.858 8.255,6.858 9.525,6.858
XTAL1: C1.2 U1.81 Y1.3 | length 4.2
  Top Layer w0.254: v1(-5.588,-14.986) -5.08,-14.986 -4.75,-14.656 U1.81@-4.75,-13.24
  Bottom Layer w0.254: C1.2@-7.366,-14.986 -7.328,-14.948 Y1.3@-5.545,-14.948
XTAL2: C2.2 U1.82 Y1.1 | length 5.5
  Top Layer w0.254: U1.82@-4.25,-13.24 -4.25,-15.643 v1(-3.345,-16.548)
  Bottom Layer w0.254: v1(-3.345,-16.548) -1.562,-16.548 C2.2@-1.524,-16.51
pads on no net: P1.1 P2.0 P4.0 P4.5 P5.1 P5.2 P6.1 P6.2 S6.3 U1.7 U1.8 U1.9 U1.19 U1.20 U1.21 U1.24 U1.25 U1.26 U1.27 U1.28 U1.29 U1.30 U1.31 U1.32 U1.33 U1.34 U1.35 U1.36 U1.37 U1.38 U1.39 U1.40 U1.45 U1.46 U1.47 U1.48 U1.49 U1.50 U1.51 U1.52 U1.60 U1.61 U1.66 U1.67 U1.70 U1.71 U1.72 U1.73 U1.74 U1.75 U1.76 U1.77 U1.88 U1.100 U1.101 U1.102 U1.103 U1.104 U1.105 U1.106 U1.107 U1.108 U1.112 U1.113 U1.114 U1.117 U1.118 U1.119 U1.138 U1.139 U1.140 U1.141 U1.142 U6.1 U6.3 U6.11 U7.1 U7.3 U7.11 U8.1 U8.3 U8.11 U9.1 U9.3 U9.11 U10.6

## Polygon pours and split planes (outlines as drawn)
NetD12_A on Top Layer "Top Layer-No Net" (solid, remove dead copper, pour order 0): -35.56,-32.385 -50,-32.385 -50,-56.642 -39.497,-56.642 -39.497,-47.879 -39.497,-41.402 -45.085,-41.402 -45.085,-37.465 -35.56,-37.465
VBAT on Top Layer "Top Layer-No Net" (solid, remove dead copper, pour order 1): 14.859,-39.37 14.859,-61 -38.989,-61 -38.989,-43.735 -29.21,-43.648 -29.21,-39.37
IGND on Int1 (GND) (split plane): 335 vertices, not listed, extent -56.991,-60.491 56.991,16.001
PGND on Int1 (GND) (split plane): 15.148,-19.777 15.19,-19.805 15.24,-19.814 18.996,-19.814 19.556,-20.374 19.556,-39.37 19.565,-39.42 19.593,-39.462 19.635,-39.49 19.685,-39.499 22.731,-39.499 22.731,-52.07 22.74,-52.12 22.768,-52.162 24.038,-53.432 24.08,-53.46 24.13,-53.469 28.446,-53.469 28.446,-60.49 -48,-60.49 -48.015,-60.491 -48.167,-60.482 -48.332,-60.454 -48.493,-60.408 -48.647,-60.344 -48.794,-60.263 -48.93,-60.166 -49.055,-60.055 -49.166,-59.93 -49.263,-59.794 -49.344,-59.647 -49.408,-59.493 -49.454,-59.332 -49.482,-59.167 -49.491,-59.015 -49.49,-59 -49.49,-34 -49.491,-33.985 -49.482,-33.833 -49.454,-33.668 -49.408,-33.507 -49.344,-33.353 -49.263,-33.206 -49.166,-33.07 -49.055,-32.945 -48.93,-32.834 -48.794,-32.737 -48.647,-32.656 -48.493,-32.592 -48.332,-32.546 -48.167,-32.518 -48.015,-32.509 -48,-32.51 -29.5,-32.51 -29.499,-32.51 -29.281,-32.501 -29.064,-32.472 -28.85,-32.425 -28.641,-32.359 -28.439,-32.275 -28.245,-32.174 -28.069,-32.062 -28.069,-39.37 -28.06,-39.42 -28.032,-39.462 -27.99,-39.49 -27.94,-39.499 -19.685,-39.499 -19.635,-39.49 -19.593,-39.462 -19.565,-39.42 -19.556,-39.37 -19.556,-20.374 -18.996,-19.814 -13.97,-19.814 -13.92,-19.805 -13.878,-19.777 -12.646,-18.544 13.916,-18.544
DVCC_3V3_ISOL on Int2 (PWR) (split plane): 310 vertices, not listed, extent -56.991,-60.491 56.991,16.001
FGND on Int2 (PWR) (split plane): -15.115,-0.887 -39.624,-0.887 -39.674,-0.896 -39.716,-0.924 -39.744,-0.966 -39.753,-1.016 -39.753,-2.286 -39.744,-2.336 -39.716,-2.378 -39.674,-2.406 -39.624,-2.415 -17.274,-2.415 -17.274,-10.158 -19.556,-10.158 -19.556,-3.175 -19.565,-3.125 -19.593,-3.083 -19.635,-3.055 -19.685,-3.046 -25.654,-3.046 -25.704,-3.055 -25.746,-3.083 -25.774,-3.125 -25.783,-3.175 -25.783,-10.158 -26.795,-10.158 -26.795,-3.175 -26.804,-3.125 -26.832,-3.083 -26.874,-3.055 -26.924,-3.046 -35.814,-3.046 -35.864,-3.055 -35.906,-3.083 -35.934,-3.125 -35.943,-3.175 -35.943,-10.158 -36.955,-10.158 -36.955,-3.175 -36.964,-3.125 -36.992,-3.083 -37.034,-3.055 -37.084,-3.046 -40.384,-3.046 -40.384,-0.129 -37.084,-0.129 -37.034,-0.12 -36.992,-0.092 -36.964,-0.05 -36.955,0 -36.955,5.205 -35.943,5.205 -35.943,0 -35.934,-0.05 -35.906,-0.092 -35.864,-0.12 -35.814,-0.129 -16.764,-0.129 -16.714,-0.12 -16.672,-0.092 -16.644,-0.05 -16.635,0 -16.635,5.715 -16.644,5.765 -16.672,5.807 -16.714,5.835 -16.764,5.844 -25.527,5.844 -25.577,5.835 -25.619,5.807 -25.647,5.765 -25.656,5.715 -25.656,3.939 -27.684,3.939 -27.684,7.364 -15.115,7.364
VCC_Core_1V3 on Int2 (PWR) (split plane): 10.031,-12.571 -10.031,-12.571 -10.031,7.491 10.031,7.491
AVCC_3V3_ISOL on Int2 (PWR) (split plane): -13.845,-2.157 -15.875,-2.157 -15.925,-2.166 -15.967,-2.194 -15.995,-2.236 -16.004,-2.286 -16.004,-9.017 -15.995,-9.067 -15.967,-9.109 -15.925,-9.137 -15.875,-9.146 -14.226,-9.146 -14.226,-10.158 -17.016,-10.158 -17.016,-2.286 -17.025,-2.236 -17.053,-2.194 -17.095,-2.166 -17.145,-2.157 -39.495,-2.157 -39.495,-1.145 -14.986,-1.145 -14.936,-1.136 -14.894,-1.108 -14.866,-1.066 -14.857,-1.016 -14.857,7.364 -13.845,7.364

## Keep-outs
Keep-Out Layer:
  lines w0.2: -57.5,14.51 -57.5,-2.5 ccw(c-55.5,-2.5) -55.5,-4.5 -47,-4.5 cw(c-47,-6.5) -45,-6.5 -45,-11 ccw(c-43,-11) -43,-13 -29.5,-13 cw(c-29.5,-15) -27.5,-15 -27.5,-30 cw(c-29.5,-30) -29.5,-32 -48,-32 ccw(c-48,-34) -50,-34 -50,-59 ccw(c-48,-59) -48,-61 48,-61 ccw(c48,-59) 50,-59 50,-31.5 ccw(c48,-31.5) 48,-29.5 29.5,-29.5 cw(c29.5,-27.5) 27.5,-27.5 27.5,-12.5 cw(c29.5,-12.5) 29.5,-10.5 43,-10.5 ccw(c43,-8.5) 45,-8.5 45,-6.5 cw(c47,-6.5) 47,-4.5 55.5,-4.5 ccw(c55.5,-2.5) 57.5,-2.5 57.5,14.51 ; -57.499,14.51 cw(c-55.499,14.51) -55.499,16.51 55.499,16.51 cw(c55.499,14.51) 57.499,14.51

## Other copper
Top Layer:
  rectangle net VBAT: -42.545,-60.706 -35.052,-57.404
  rectangle net VBAT: -36.195,-59.436 11.938,-55.753
  rectangle net VBAT: -36.195,-49.022 12.192,-45.085
  rectangle net NetD12_A: -49.657,-56.642 -39.497,-41.656
  rectangle net PGND: -35.052,-40.513 -30.48,-32.385
  rectangle: 43.18,-59.69 48.895,-49.53
  rectangle net DVCC_3V3_ISOL: 29.21,-43.18 36.83,-40.64
  rectangle net VCC_3V3_ISOL: 33.401,-36.068 37.084,-34.544
  rectangle net VCC_3V3_ISOL: -12.446,10.668 -9.398,16.002
  rectangle net IGND: -8.89,12.065 -4.445,15.24
  rectangle net IGND: 33.401,-38.227 37.084,-36.322
  rectangle net IGND: 31.75,-32.512 36.83,-30.353
  rectangle net AHS2: 0.381,-39.116 2.794,-31.369
  rectangle net BHS2: 6.096,-39.116 8.509,-31.369
  rectangle net IGND: -21.463,0.635 -19.558,4.953
  rectangle net IGND: -20.447,3.937 -18.161,4.953
  rectangle net IGND: -31.623,-8.255 -29.718,-3.937
  rectangle net IGND: -31.623,0.635 -29.718,4.953
  rectangle net IGND: -30.607,3.937 -28.321,4.953
  rectangle net IGND: -40.767,3.937 -38.481,4.953
  rectangle net IGND: -41.783,0.635 -39.878,4.953
  rectangle net IGND: -41.783,-8.255 -39.878,-3.937
  rectangle net IGND: 41.91,-34.671 43.561,-31.75
  rectangle net IGND: 41.91,-40.386 43.561,-37.465
  rectangle net IGND: 41.402,-32.893 43.688,-31.75
  rectangle net IGND: 41.402,-35.306 42.418,-31.75
  rectangle net IGND: 40.132,-38.735 43.561,-37.465
  rectangle net IGND: 41.402,-41.021 42.418,-37.465
  rectangle net IGND: 29.718,-57.785 36.195,-53.34
  rectangle net VCC_5V_ISOL: 30.48,-52.07 35.56,-48.26
  rectangle net PGND: 7.239,-27.051 9.779,-23.749
  rectangle net PGND: 1.524,-27.051 4.064,-23.749
  rectangle net PGND: -4.191,-27.051 -1.651,-23.749
  rectangle net PGND: -9.906,-27.051 -7.366,-23.749
  rectangle net PGND: -11.43,-24.003 11.43,-19.05
  rectangle net VBAT: 11.557,-57.912 17.018,-53.848
  rectangle net PGND: -44.45,-40.513 -30.48,-37.719
  rectangle net NetD12_A: -40.386,-37.465 -35.56,-33.401
  rectangle net NetD12_A: -49.53,-41.275 -45.593,-37.338
  rectangle net VBAT: -2.667,-40.005 0,-31.369
  rectangle net VBAT: 8.763,-40.64 11.43,-31.369
  rectangle net VBAT: 3.048,-40.005 5.715,-31.369
  rectangle net BHS1: -5.334,-39.116 -2.921,-31.369
  rectangle net VBAT: -8.382,-40.64 -5.715,-31.369
  rectangle net AHS1: -11.049,-39.116 -8.636,-31.369
Bottom Layer:
  rectangle net VCC_3V3_ISOL: 33.401,-36.068 37.084,-34.544
  rectangle net IGND: -7.366,-9.906 7.366,4.826
  rectangle net VCC_Core_1V3: 4.953,5.588 10.033,7.493
Int1 (GND) (plane layer: these items are gaps in the copper):
  lines w0.254: -29.21,-30.48 -27.94,-31.75 -27.94,-39.37 -19.685,-39.37 -19.685,-20.32 -19.05,-19.685 -13.97,-19.685 -12.7,-18.415 13.97,-18.415 15.24,-19.685 19.05,-19.685 19.685,-20.32 19.685,-39.37 22.86,-39.37 22.86,-52.07 24.13,-53.34 28.575,-53.34 28.575,-62.992 ; -29.21,-15.24 -26.67,-12.7 -10.16,-12.7 -8.89,-11.43 ; -11.43,17.907 -11.43,8.89 -8.89,6.35
Int2 (PWR) (plane layer: these items are gaps in the copper):
  lines w0.254: -17.145,-10.287 -19.685,-10.287 -19.685,-3.175 -25.654,-3.175 -25.654,-10.287 -26.924,-10.287 -26.924,-3.175 -35.814,-3.175 -35.814,-10.287 -37.084,-10.287 -37.084,-3.175 -40.513,-3.175 -40.513,0 -37.084,0 -37.084,5.334 -35.814,5.334 -35.814,0 -16.764,0 -16.764,5.715 -25.527,5.715 -25.527,3.81 -27.813,3.81 -27.813,7.493 -14.986,7.493 ; -17.145,-10.287 -14.097,-10.287 -14.097,-9.017 -15.875,-9.017 -15.875,-2.286 -13.716,-2.286 -13.716,7.493 -14.986,7.493 ; -17.145,-10.287 -17.145,-2.286 -39.624,-2.286 -39.624,-1.016 -14.986,-1.016 -14.986,7.493 ; -10.16,-12.7 -10.16,7.62 10.16,7.62 10.16,-12.7 -10.16,-12.7

## Silkscreen, mask and mechanical layers (free items; w line width, h text height)
Top Overlay:
  text "5V" at 13.343,11.765 h0.6
  text "GND" at 18.25,11.765 h0.6
  text "GND" at 27.14,11.765 h0.6
  text "3V3" at 29.68,11.765 h0.6
  text "GND" at 33.49,11.765 h0.6
  text "3V3" at 36.03,11.765 h0.6
  text "GND" at 50,11.765 h0.6
  text "5V" at 52.84,11.765 h0.6
  text "VB" at -44.323,-36.195 h1.5
  text "GND" at -28.448,-37.846 h1.5 r90
Bottom Overlay:
  text "M2B M2A M1B M1A" at 10.493,-30.976 h1.5
Top Solder:
  text "2020/07" at 48.6,-57.531 h1.5 r90
  text "铁人逐风队" at 46.632,-58.309 h1.5 r90
  text "西南石油大学" at 44.735,-59.001 h1.5 r90

## Text inside footprints (layer, text, board x,y; h text height)
P1: Top Overlay "9" at 7.77,-17.653 h1; Top Overlay "1" at -0.33,-17.653 h1